# Altium PCB PMSM_LCP037_V1.11.PcbDoc (part 1 of 2)
Units mil, origin at the board's own origin, x right, y up, seen from the top; angles counter-clockwise.
Board outline 6102.36 x 5157.48 mil, 2 copper layers (Top Layer, Bottom Layer); 103 components, 55 nets, 270 pads, 892 vias.
Unrouted connection lines stored in the file: 2.
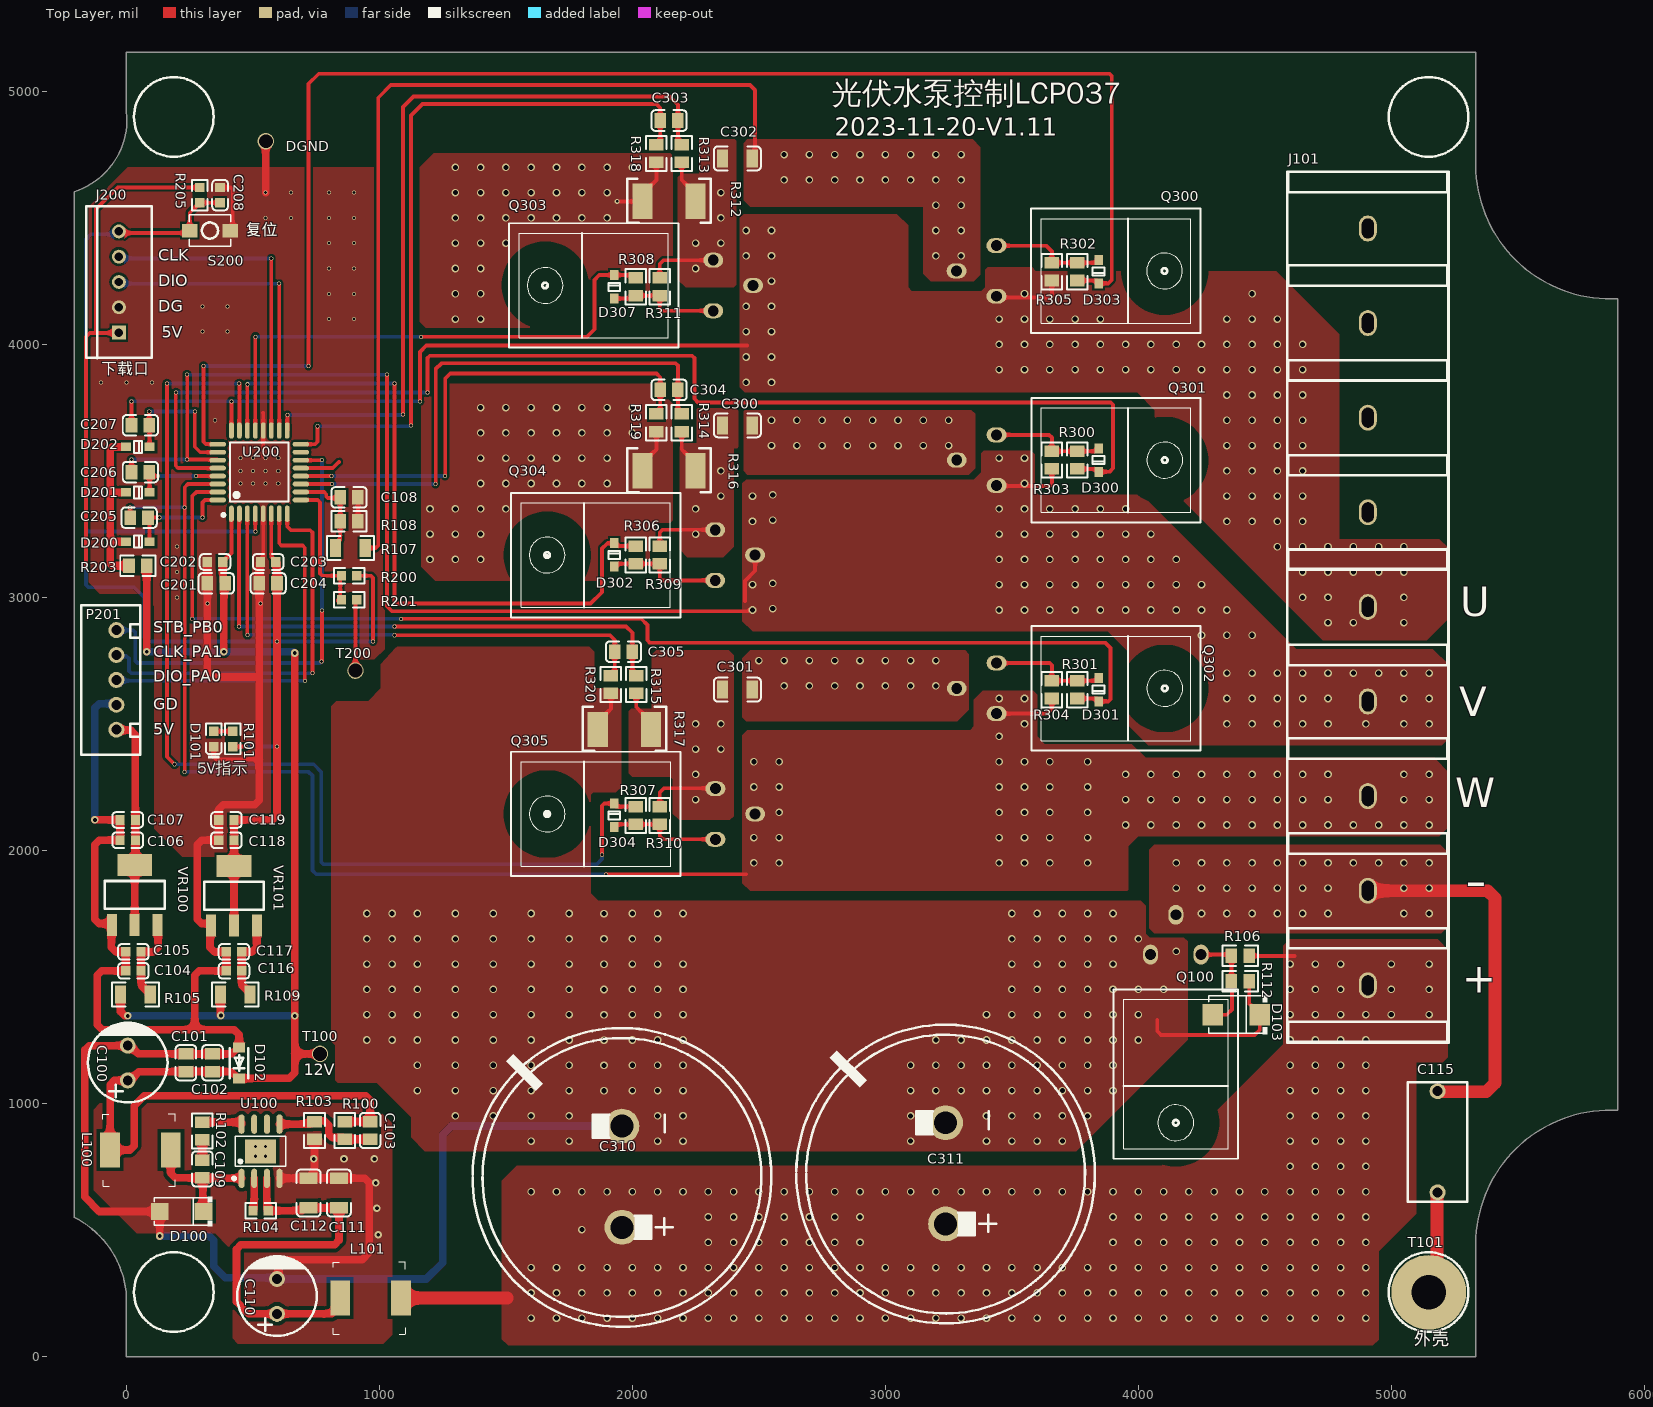
[diagram p0: Top Layer view]
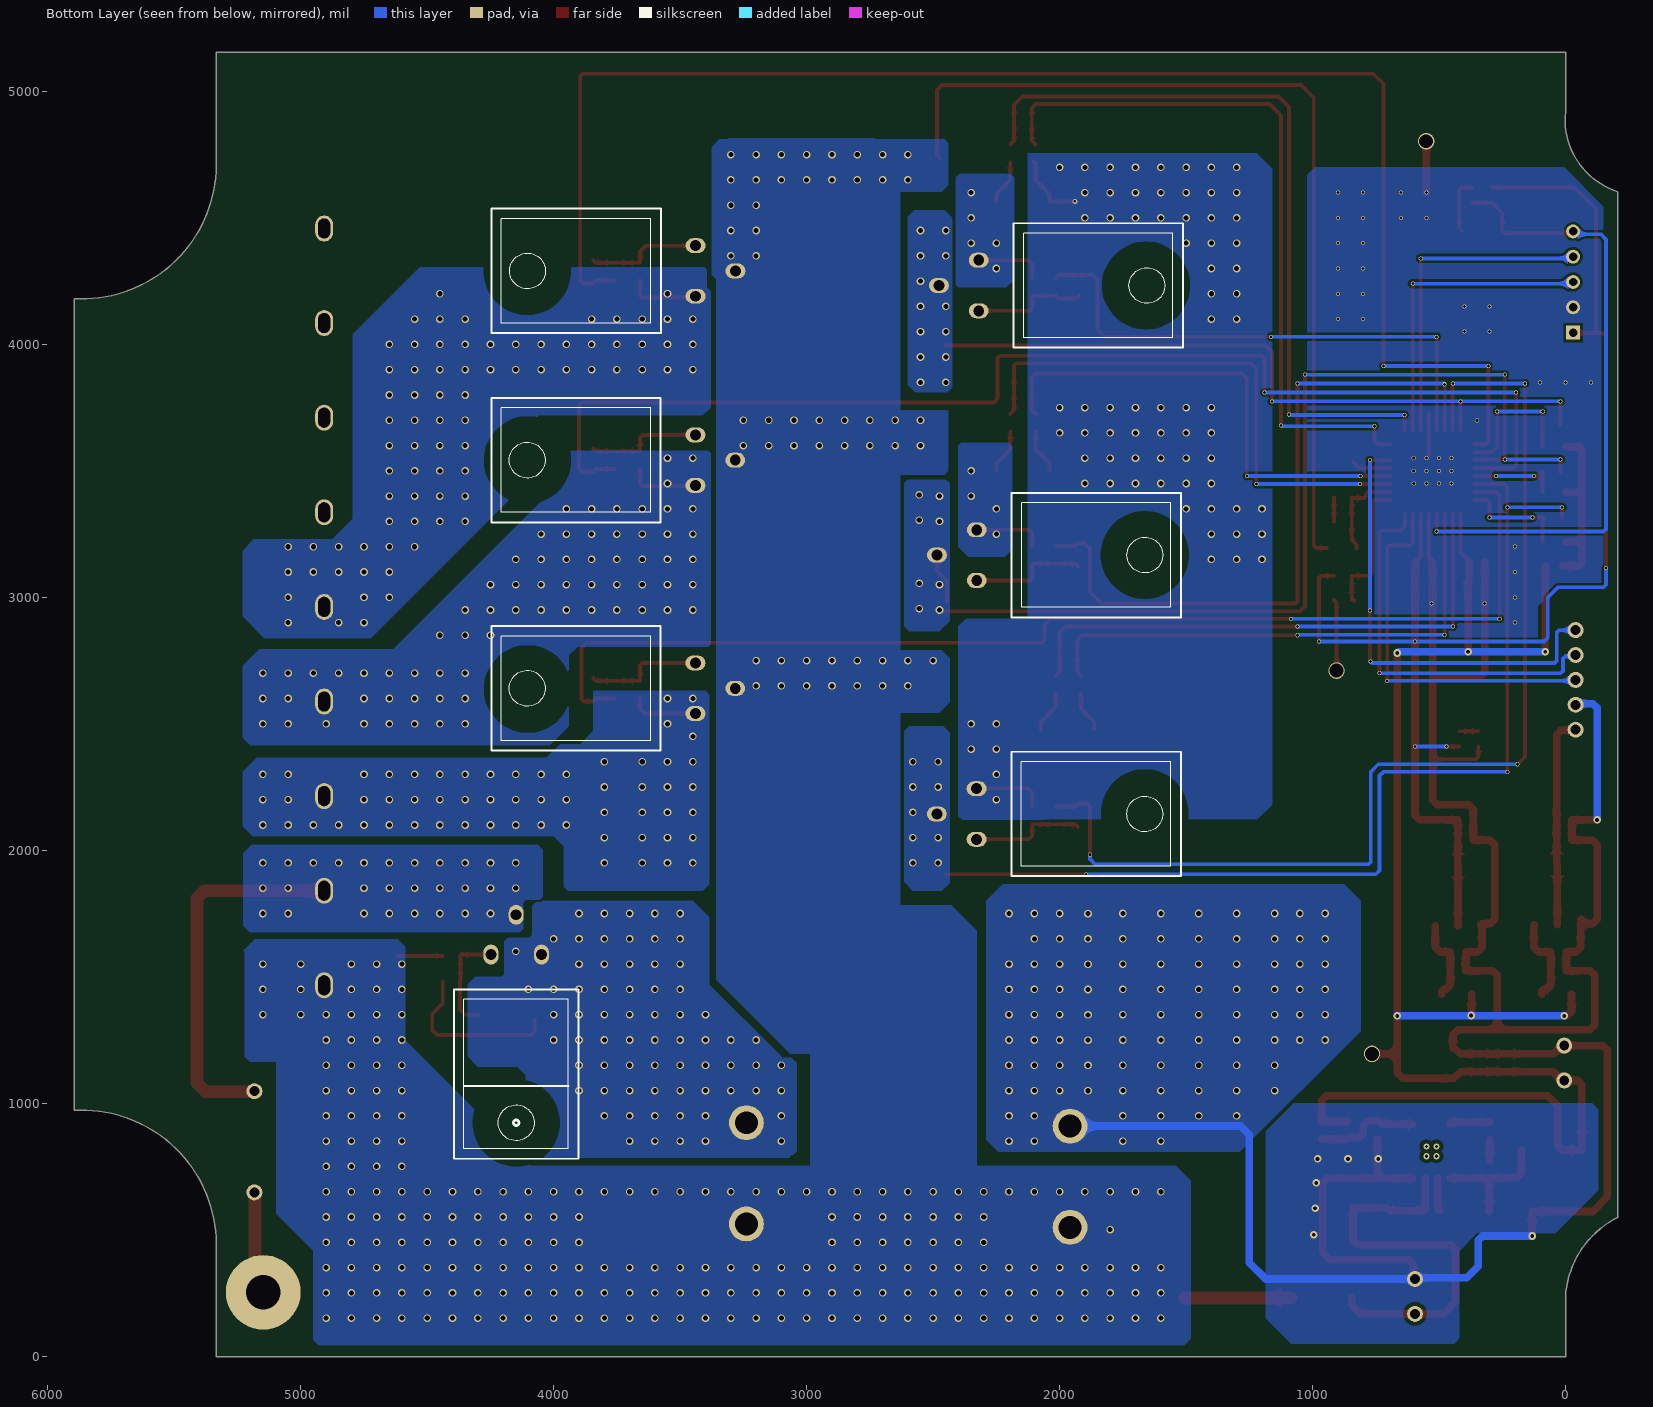
[diagram p1: Bottom Layer view, seen from below]
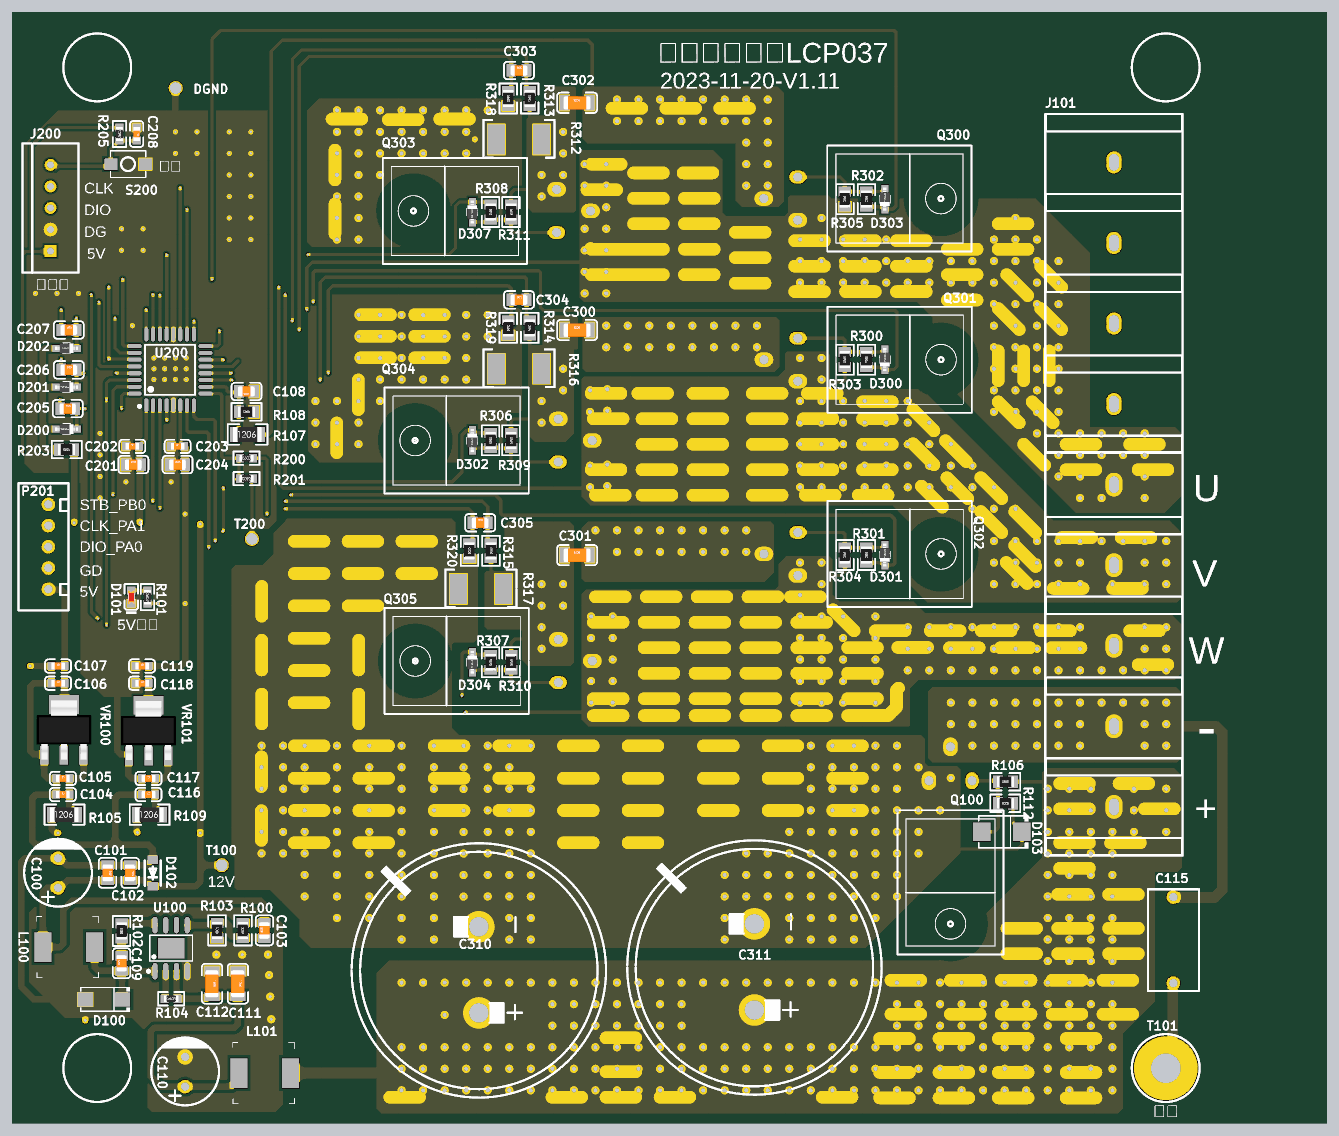
[diagram p3: 3D render of the assembled board from above, using the file's embedded part models]

## Layer stack, top to bottom
Top Solder: solder mask 0.4, Solder Resist, Dk 3.5
Top Layer: signal copper 1.4
Dielectric 1: dielectric 12.6, FR-4, Dk 4.8
Bottom Layer: signal copper 1.4
Bottom Solder: solder mask 0.4, Solder Resist, Dk 3.5

## Board outline
0,-2.48 0,233.74 ccw(c-374.92,213) -206.69,548.7 -206.69,4603.82 ccw(c-297.17,4888.49) 0,4918.78 0,5155 5334.65,5155 5334.65,4682.56 ccw(c5866.14,4712.09) 5895.67,4180.59 5895.67,971.93 ccw(c5866.14,440.43) 5334.65,469.96 5334.65,-2.48

## Design rules (kind name [scope] priority, off if disabled: settings)
Clearance [All] p1: gap=10 ignorepadtopadclearanceinfootprint=FALSE
ComponentClearance [All] p1: gap=0 collisioncheckmode=3 verticalgap=0 showdistances=FALSE
HoleSize [All] p1: absolutevalues=TRUE maxlimit=500 minlimit=1 maxpercent=80.000 minpercent=20.000
HoleToHoleClearance [All] p1: gap=0 allowstackedmicrovias=TRUE
MinimumSolderMaskSliver [All] p1: minsoldermaskwidth=0
PlaneConnect [All] p1: planeconnectstyle=Direct reliefexpansion=20 reliefentries=4 reliefconductorwidth=10 reliefairgap=10
PolygonConnect [All] p1: connectstyle=Direct reliefconductorwidth=10 reliefentries=4 polygonreliefangle="90 Angle" airgapwidth=10
RoutingVias [All] p1: holewidth=10 width=13 viastyle="Through Hole" minholewidth=10 minwidth=13 maxholewidth=500 maxwidth=500
SilkToSilkClearance [All] p1: silktosilkclearance=0
SilkToSolderMaskClearance [IsPad] p1: minsilkscreentomaskgap=0 clearancetoexposedcopper=TRUE
SolderMaskExpansion [All] p1: expansion=4 istentingtop=FALSE
Width [All] p1: maxlimit=500 minlimit=6 preferedwidth=10
23 further rules are at their usual default settings.

## Classes and differential pairs
component class 03_Mos: C300 C301 C302 C303 C304 C305 C310 C311 D300 D301 D302 D303 D304 D307 Q300 Q301 Q302 Q303 Q304 Q305 R300 R301 R302 R303 R304 R305 R306 R307 R308 R309 R310 R311 R312 R313 R314 R315 R316 R317 R318 R319 R320
component class 02_MCU: C201 C202 C203 C204 C205 C206 C207 C208 D200 D201 D202 J200 P201 R200 R201 R203 R205 S200 T200 U200
component class 01_Power: C100 C101 C102 C103 C104 C105 C106 C107 C108 C109 C110 C111 C112 C115 C116 C117 C118 C119 D100 D101 D102 D103 J101 L100 L101 Q100 R100 R101 R102 R103 R104 R105 R106 R107 R108 R109 R112 T100 T101 U100 VR100 VR101

## Components (designator, comment, footprint, x,y, rotation, side; value= is the part's Value field where it differs from the comment)
C100 "470uF/25V" 47UF/100V 5,1090 r90 top
C101 "22uF (226) 20% 25V" 0805_C 235,1160 r270 top
C102 "100nF(104) 10% 50V" 0805_C 340,1160 r270 top
C103 "47pF (470) 5% 50V" 0805_C 963.31,892.52 r90 top
C104 "100nF (104) 10% 50V" 0603_C 27.48,1523.31 r0 top
C105 "10uF (106) 10% 10V" 0603_C 27.48,1598.31 r0 top
C106 "100nF (104) 10% 50V" 0603_C 5,2040 r0 top
C107 "10uF (106) 10% 10V" 0603_C 5,2120 r0 top
C108 "100nF(104) 10% 50V" 0805_C 880,3395 r180 top
C109 "100nF(104) 10% 50V" 0805_C 300,740 r90 top
C110 "47uF/100V" 47UF/100V 595,167.2 r90 top
C111 "2.2uF (225) 10% 50V" 1206_C 840,645 r270 top
C112 "100nF (104) 10% 50V" 1206_C 720,645 r270 top
C115 "2.2nF (222) 10% 50V" "X1/Y1 500V" 5183.31,1047.52 r270 top
C116 "100nF (104) 10% 50V" 0603_C 425,1523.31 r0 top
C117 "10uF (106) 10% 10V" 0603_C 425,1598.31 r0 top
C118 "100nF (104) 10% 50V" 0603_C 395,2040 r0 top
C119 "10uF (106) 10% 10V" 0603_C 395,2120 r0 top
C201 "10uF (106) 10% 25V" 0805_C 354.96,3055 r0 top
C202 "100nF (104) 10% 50V" 0603_C 350,3140 r0 top
C203 "100nF (104) 10% 50V" 0603_C 560,3140 r0 top
C204 "10uF (106) 10% 25V" 0805_C 560,3055 r0 top
C205 "10uF (106) 10% 25V" 0805_C 50,3315 r0 top
C206 "10uF (106) 10% 25V" 0805_C 54.88,3495 r0 top
C207 "10uF (106) 10% 25V" 0805_C 54.88,3680 r0 top
C208 "100nF (104) 10% 50V" 0603_C 370,4590 r270 top
C300 "100nF (104) 10% 100V" 1206_C 2415,3680 r0 top
C301 "100nF (104) 10% 100V" 1206_C 2415,2635 r0 top
C302 "100nF (104) 10% 100V" 1206_C 2415,4735 r0 top
C303 "100pF (101) 5% 50V" 0805_C 2145,4885 r0 top
C304 "100pF (101) 5% 50V" 0805_C 2145,3820 r0 top
C305 "100pF (101) 5% 50V" 0805_C 1965,2785 r0 top
C310 "1000uF/250V" 1000uf/250V 1958.66,509.33 r90 top
C311 "1000uF/250V" 1000uf/250V 3238.19,522.72 r90 top
D100 "SS310" SS310 215,570 r180 top
D101 "绿灯 0603" 0603_LED_S1 345,2440 r90 top
D102 "SMF12A" "SMF12A - duplicate" 445,1097.95 r90 top
D103 "SMBJ18A" SMBJ18A 4480,1350 r180 top
D200 "1N4148WS T4" SOD-323 45,3220 r180 top
D201 "1N4148WS T4" SOD-323 44.88,3415 r180 top
D202 "1N4148WS T4" SOD-323 44.88,3595 r180 top
D300 "1N4148WS T4" SOD-323 3843.31,3542.52 r90 top
D301 "1N4148WS T4" SOD-323 3843.31,2635 r90 top
D302 "1N4148WS T4" SOD-323 1928.31,3167.52 r270 top
D303 "1N4148WS T4" SOD-323 3843.31,4287.52 r90 top
D304 "1N4148WS T4" SOD-323 1928.31,2137.52 r270 top
D307 "1N4148WS T4" SOD-323 1928.31,4227.52 r270 top
J101 "CON9" "CON9 9.5mm" 4907.48,1466.02 r90 top locked
J200 "SWD-KF2510-5P" 2.54_5P_PHI -30,4046.58 r90 top
L100 "47uH/0650" 0650_47UH 45,815 r180 top
L101 "47uH/0650" 0650_47UH 955,230 r180 top
P201 "Header 5" XH2.54-5P -40,2870.28 r270 top
Q100 "NCEP1570" IRFB4127#1 4148.31,1745 r180 top locked
Q300 "NCEP1570" IRFB4127#2 3439.02,4390.24 r270 top locked
Q301 "NCEP1570" IRFB4127#2 3439.8,3642.2 r270 top locked
Q302 "NCEP1570" IRFB4127#2 3439.8,2740.24 r270 top locked
Q303 "NCEP1570" IRFB4127#2 2319.72,4132.76 r90 top locked
Q304 "NCEP1570" IRFB4127#2 2327.6,3067.01 r90 top locked
Q305 "NCEP1570" IRFB4127#2 2327.99,2043.39 r90 top locked
R100 "330KΩ (3303) ±1%" 0805_R 863.31,892.52 r90 top
R101 "10KΩ (1002) ±1%" 0603_R 420,2440 r270 top
R102 "22Ω (22R0) ±1%" 0805_R 300,890 r90 top
R103 "23.7KΩ" 0805_R 743.31,892.52 r90 top
R104 "30mΩ ±1%" 0603_R 530,575 r0 top
R105 "200Ω (2000) ±1%" 1206_R 35,1430 r0 top
R106 "20KΩ (2002) ±1%" 0805_R 4403.31,1582.52 r0 top
R107 "24KΩ (2402) ±1%" 1206_R 885,3195 r0 top
R108 "1KΩ (1001) ±1%" 0805_R 880,3300 r180 top
R109 "200Ω (2000) ±1%" 1206_R 430,1430 r0 top
R112 "10KΩ (1002) ±1%" 0805_R 4403.31,1482.52 r180 top
R200 "1KΩ (1001) ±1%" 0603_R 880,3085 r0 top
R201 "1KΩ (1001) ±1%" 0603_R 880,2990 r180 top
R203 "1KΩ (1001) ±1%" 0805_R 45,3125 r180 top
R205 "10KΩ (1002) ±1%" 0603_R 290,4590 r90 top
R300 "51Ω (51R0) ±1%" 0805_R 3758.31,3542.56 r90 top
R301 "51Ω (51R0) ±1%" 0805_R 3758.31,2635 r90 top
R302 "51Ω (51R0) ±1%" 0805_R 3758.31,4287.52 r90 top
R303 "100KΩ (1003) ±1%" 0805_R 3658.31,3542.52 r90 top
R304 "100KΩ (1003) ±1%" 0805_R 3658.31,2635 r90 top
R305 "100KΩ (1003) ±1%" 0805_R 3658.31,4287.52 r90 top
R306 "51Ω (51R0) ±1%" 0805_R 2013.31,3167.52 r270 top
R307 "51Ω (51R0) ±1%" 0805_R 2013.31,2137.52 r270 top
R308 "51Ω (51R0) ±1%" 0805_R 2013.31,4227.52 r270 top
R309 "100KΩ (1003) ±1%" 0805_R 2108.31,3167.52 r270 top
R310 "100KΩ (1003) ±1%" 0805_R 2108.31,2137.52 r270 top
R311 "100KΩ (1003) ±1%" 0805_R 2108.31,4227.52 r270 top
R312 "10mR 2512" R2512 2170,4525 r0 top
R313 "68Ω (68R0) ±1%" 0805_R 2195,4755 r270 top
R314 "68Ω (68R0) ±1%" 0805_R 2195,3690 r270 top
R315 "68Ω (68R0) ±1%" 0805_R 2015,2655 r270 top
R316 "10mR 2512" R2512 2170,3460 r0 top
R317 "10mR 2512" R2512 1993.31,2437.52 r0 top
R318 "68Ω (68R0) ±1%" 0805_R 2095,4755 r270 top
R319 "68Ω (68R0) ±1%" 0805_R 2095,3690 r270 top
R320 "68Ω (68R0) ±1%" 0805_R 1915,2655 r270 top
S200 "KEY" 按键3*4 249.76,4450 r0 top
T100 "Test" Testpoint 765,1195 r90 top
T101 "Test" 接地螺丝孔 5148.31,252.52 r0 top
T200 "Test" Testpoint 905,2710 r90 top
U100 "TX4139" ESOP8 455,702.89 r0 top
U200 "LCP037BK32ET8" LQFP32 425,3395 r270 top
VR100 "AMS1117-5.0" SOT-223 32.48,1823.31 r270 top
VR101 "AMS1117-5.0" SOT-223 425,1820 r270 top

## Footprints (in the part's own frame and the unit in brackets; to place one, negate y for a bottom-side part, rotate by r counter-clockwise, add the part's x,y. Pads: shape width x height; smd on the part's side, far side on the other; paste and mask are expansions set on the pad)
2.54_5P_PHI [mil]
  rect 55x55 hole 33: 1(0,0)
  round 55 hole 33: 2(100,0) 3(200,0) 4(300,0) 5(400,0)
  silkscreen extent -100,-130 500,130
47UF/100V [mm] "8*14"
  round 1.6 hole 1: 1(0,0) 2(3.5,0)
  silkscreen extent -2.21,-4 5.79,4
0603_C [mm]
  rect 0.93x0.98 smd: 1(-0.77,0) 2(0.77,0)
  silkscreen extent -1.53,-0.79 1.54,0.79, body extent -0.8,-0.4 0.8,0.4, height 0.3
0603_LED_S1 [mm]
  rect 0.93x0.98 smd: A(0.77,0) K(-0.77,0)
  silkscreen extent -1.98,-0.79 1.54,0.79, body extent -0.8,-0.4 0.8,0.4, height 0.6
0603_R [mm]
  rect 0.93x0.98 smd: 1(-0.77,0) 2(0.77,0)
  silkscreen extent -1.53,-0.79 1.54,0.79, body extent -0.85,-0.4 0.85,0.4, height 0.56
0650_47UH [mm]
  rect 2x3.5 smd: 1(-3.302,0) 2(2.794,0)
  silkscreen extent -3.76,-3.62 3.52,3.62
0805_C [mm]
  rect 1.16x1.47 smd: 1(-0.89,0) 2(0.89,0)
  silkscreen extent -1.77,-1.04 1.77,1.04, body extent -1,-0.62 1,0.63, height 0.77
0805_R [mm]
  rect 1.16x1.47 smd: 1(-0.89,0) 2(0.89,0)
  silkscreen extent -1.77,-1.04 1.77,1.03, body extent -1,-0.62 1,0.63, height 0.49
1000uf/250V [mm]
  round 3.5 hole 2.3: 1(0,0) 2(10.16,0)
  silkscreen extent -9.99,-15 20.01,15
1206_C [mm]
  rect 1.13x1.8 smd: 1(-1.49,0) 2(1.49,0)
  silkscreen extent -2.36,-1.2 2.35,1.2, body extent -1.6,-0.81 1.6,0.79, height 1
1206_R [mm]
  rect 1.13x1.8 smd: 1(-1.49,0) 2(1.49,0)
  silkscreen extent -2.36,-1.2 2.35,1.2, body extent -1.7,-0.86 1.65,0.87, height 0.85
"CON9 9.5mm" [mm]
  oval 2.6x1.8 hole 1.2 slot 2 at 0 deg: 1(0,0) 2(9.5,0) 3(19,0) 4(28.5,0) 5(38,0) 6(47.5,0) 7(57,0) 8(66.5,0) 9(76,0)
  silkscreen extent -5.75,-8.1 81.69,8.1
ESOP8 [mm]
  oval 0.602x1.941 smd: 1(0,0) 2(1.27,0) 3(2.54,0) 4(3.81,0) 5(3.81,5.441) 6(2.54,5.441) 7(1.27,5.441) 8(0,5.441)
  rect 3.098x2.41 smd: 9(1.905,2.72)
  silkscreen extent -0.9,-0.15 4.43,4.24
IRFB4127#1 [mm]
  oval 1.5x2 hole 1.1: 1(-2.54,4) 2(0,0) 3(2.54,4)
  silkscreen extent -6.25,7.5 6.25,24.5
IRFB4127#2 [mm] "TO-220AB"
  oval 1.5x2 hole 1.1: 1(0,0) 2(2.54,-4) 3(5.08,0)
  round 0 on Bottom Overlay: ""(2.54,16.885)
  silkscreen extent -3.71,3.5 8.79,20.5
LQFP32 [mm]
  oval 1.65x0.48 smd: 1(1.635,-0.26) 2(1.635,0.54) 3(1.635,1.34) 4(1.635,2.14) 5(1.635,2.94) 6(1.635,3.74) 7(1.635,4.54) 8(1.635,5.34) 17(-6.715,5.34) 18(-6.715,4.54) 19(-6.715,3.74) 20(-6.715,2.94) 21(-6.715,2.14) 22(-6.715,1.34) 23(-6.715,0.54) 24(-6.715,-0.26)
  oval 0.48x1.65 smd: 9(0.26,6.715) 10(-0.54,6.715) 11(-1.34,6.715) 12(-2.14,6.715) 13(-2.94,6.715) 14(-3.74,6.715) 15(-4.54,6.715) 16(-5.34,6.715) 25(-5.34,-1.635) 26(-4.54,-1.635) 27(-3.74,-1.635) 28(-2.94,-1.635) 29(-2.14,-1.635) 30(-1.34,-1.635) 31(-0.54,-1.635) 32(0.26,-1.635)
  silkscreen extent -5.49,-1.21 1.91,5.49
R2512 [mil]
  rect 80x140 smd: 1(-130,40) 2(80,40)
  silkscreen extent -190,-45 140,130
SMBJ18A [mil] "DO-214AA"
  rect 80.61x86.31 smd: 1(0,0) 2(185.89,0)
  silkscreen extent -30,-77 201,77
"SMF12A - duplicate" [mm] "SOD123F"
  rect 1x1.2 smd: 1(0,0) 2(3.1,0)
  silkscreen extent 0.03,-0.93 3.04,0.95
SOD-323 [mm]
  rect 1x0.83 smd: 1(1.18,0) 2(-1.18,0)
  silkscreen extent -0.4,-0.6 0.4,0.6, body extent -1.35,-0.62 1.35,0.63, height 1.1
SOT-223 [mm]
  rect 2.2x1 smd: 1(3,-2.3) 2(3,0) 3(3,2.3)
  rect 2.2x3.5 smd: 2(-3,0)
  silkscreen extent -1.4,-3 1.4,3, body extent -3.49,-3.24 3.49,3.24, height 1.64
SS310 [mm]
  rect 1.8x1.7 smd paste+0 mask+0.051: 1(-2.26,-0.047) 2(2.125,-0.047)
  silkscreen extent -3.17,-1.52 2.66,1.43
Testpoint [mil]
  round 65 hole 55: 1(0,0)
"X1/Y1 500V" [mm]
  round 1.6 hole 1: 1(0,0) 2(10.16,0)
  silkscreen extent -0.92,-3 11.08,3
XH2.54-5P [mm]
  round 1.6 hole 1 paste+0 mask+0.05: 1(0,0) 2(2.5,0) 3(5,0) 4(7.5,0) 5(10,0)
  silkscreen extent -2.5,-3.53 12.5,2.38
按键3*4 [mm]
  rect 1.53x1.36 smd: 1(0,0) 2(4.07,0)
  silkscreen extent -0.04,-1.58 4.11,1.58
接地螺丝孔 [mm]
  round 7.5 hole 3.5: 6(0,0)

## Part data
C100 C110: library part CapSMT220u_16V, =220uF/16V
C101: library part "0805 22uF (226) 20% 25V", "贴片电容", Package=0805, SuppliersPartNumber=C45783, ComponentLink1Description=供应商链接, ComponentLink1URL=http://www.szlcsc.com/product/details_46786.html, Supplier=LC
C102 C108 C109: library part "0805 100nF(104) 10% 50V", "贴片电容", Package=0805, SuppliersPartNumber=C49678, ComponentLink1Description=供应商链接, ComponentLink1URL=http://www.szlcsc.com/product/details_50686.html, Supplier=LC
C103: library part "0805 47pF (470) 5% 50V", "贴片电容", Package=0805, SuppliersPartNumber=C14857, ComponentLink1Description=供应商链接, ComponentLink1URL=http://www.szlcsc.com/product/details_15529.html, Supplier=LC
C104 C106 C116 C118 C202 C203 C208: library part "0603 100nF (104) 10% 50V", "贴片电容", Package=0603, SuppliersPartNumber=C14663, ComponentLink1Description=供应商链接, ComponentLink1URL=http://www.szlcsc.com/product/details_15331.html, Supplier=LC
C105 C107 C117 C119: library part "0603 10uF (106) 10% 10V", "贴片电容", Package=0603, SuppliersPartNumber=C19702, ComponentLink1Description=供应商链接, ComponentLink1URL=http://www.szlcsc.com/product/details_20411.html, Supplier=LC
C111: library part "1206 2.2uF (225) 10% 50V", "贴片电容", Package=1206, SuppliersPartNumber=C12656, ComponentLink1Description=供应商链接, ComponentLink1URL=http://www.szlcsc.com/product/details_13292.html, Supplier=LC
C112 C300 C301 C302: library part "1206 100nF (104) 10% 50V", "贴片电容", Package=1206, SuppliersPartNumber=C24497, ComponentLink1Description=供应商链接, ComponentLink1URL=http://www.szlcsc.com/product/details_25237.html, Supplier=LC
C115: library part "0603 2.2nF (222) 10% 50V", "贴片电容", Package=0603, SuppliersPartNumber=C1604, ComponentLink1Description=供应商链接, ComponentLink1URL=http://www.szlcsc.com/product/details_1956.html, Supplier=LC
C201 C204 C205 C206 C207: library part "0805 10uF (106) 10% 25V", "贴片电容", Package=0805, SuppliersPartNumber=C15850, ComponentLink1Description=供应商链接, ComponentLink1URL=http://www.szlcsc.com/product/details_16532.html, Supplier=LC
C303 C304 C305: library part "0805 100pF (101) 5% 50V", "贴片电容", Package=0805, SuppliersPartNumber=C1790, ComponentLink1Description=供应商链接, ComponentLink1URL=http://www.szlcsc.com/product/details_2142.html, Supplier=LC
C310 C311: library part CAP2, "电解电容"
D101: library part "0603 绿灯", "发光二极管", Package=0603, SuppliersPartNumber=C72043, ComponentLink1Description=供应商链接, ComponentLink1URL=http://www.szlcsc.com/product/details_73152.html, Supplier=LC
D103: library part 1N4746A
D200 D201 D202 D300 D301 D302 D303 D304 D307: library part "SOD-323 1N4148WS T4", "二极管", Package=SOD-323, SuppliersPartNumber=C2128, ComponentLink1Description=供应商链接, ComponentLink1URL=http://www.szlcsc.com/product/details_2485.html, Supplier=LC
J200: library part ST-LINK-SWD
L100 L101: library part Inductor
P201: "Header, 5-Pin", LatestRevisionDate=17-Jul-2002, LatestRevisionNote="Re-released for DXP Platform.", Publisher="Altium Limited"
Q100 Q300 Q301 Q302 Q303 Q304 Q305: library part IRFB4127PBF
R100: library part "0805 330KΩ (3303) 1%", "贴片电阻", Package=0805, SuppliersPartNumber=C17629, ComponentLink1Description=供应商链接, ComponentLink1URL=http://www.szlcsc.com/product/details_18317.html, Supplier=LC
R101 R205: library part "0603 10KΩ (1002) 1%", "贴片电阻", Package=0603, SuppliersPartNumber=C25804, ComponentLink1Description=供应商链接, ComponentLink1URL=http://www.szlcsc.com/product/details_26547.html, Supplier=LC
R102 R103: library part "0805 22Ω (22R0) 1%", "贴片电阻", Package=0805, SuppliersPartNumber=C17561, ComponentLink1Description=供应商链接, ComponentLink1URL=http://www.szlcsc.com/product/details_18249.html, Supplier=LC
R104: library part "0603 100KΩ (1003) 1%", "贴片电阻", Package=0603, SuppliersPartNumber=C25803, ComponentLink1Description=供应商链接, ComponentLink1URL=http://www.szlcsc.com/product/details_26546.html, Supplier=LC
R105 R109: library part "1206 300Ω (3000) 1%", "贴片电阻", Package=1206, SuppliersPartNumber=C17887, ComponentLink1Description=供应商链接, ComponentLink1URL=http://www.szlcsc.com/product/details_18575.html, Supplier=LC
R106: library part "0805 20KΩ (2002) 1%", "贴片电阻", Package=0805, SuppliersPartNumber=C4328, ComponentLink1Description=供应商链接, ComponentLink1URL=http://www.szlcsc.com/product/details_4735.html, Supplier=LC
R107: library part "1206 0Ω (0R0) 1%", "贴片电阻", Package=1206, SuppliersPartNumber=C17888, ComponentLink1Description=供应商链接, ComponentLink1URL=http://www.szlcsc.com/product/details_18576.html, Supplier=LC
R108 R203: library part "0805 1KΩ (1001) 1%", "贴片电阻", Package=0805, SuppliersPartNumber=C17513, ComponentLink1Description=供应商链接, ComponentLink1URL=http://www.szlcsc.com/product/details_18201.html, Supplier=LC
R112: library part "0805 10KΩ (1002) 1%", "贴片电阻", Package=0805, SuppliersPartNumber=C17414, ComponentLink1Description=供应商链接, ComponentLink1URL=http://www.szlcsc.com/product/details_18102.html, Supplier=LC
R200 R201: library part "0603 1KΩ (1001) 1%", "贴片电阻", Package=0603, SuppliersPartNumber=C21190, ComponentLink1Description=供应商链接, ComponentLink1URL=http://www.szlcsc.com/product/details_21904.html, Supplier=LC
R300 R301 R302 R306 R307 R308: library part "0805 51Ω (51R0) 1%", "贴片电阻", Package=0805, SuppliersPartNumber=C17738, ComponentLink1Description=供应商链接, ComponentLink1URL=http://www.szlcsc.com/product/details_18426.html, Supplier=LC
R303 R304 R305 R309 R310 R311: library part "0805 100KΩ (1003) 1%", "贴片电阻", Package=0805, SuppliersPartNumber=C17407, ComponentLink1Description=供应商链接, ComponentLink1URL=http://www.szlcsc.com/product/details_18095.html, Supplier=LC
R312 R316 R317: library part Res10K
R313 R314 R315 R318 R319 R320: library part "0805 68Ω (68R0) 1%", "贴片电阻", Package=0805, SuppliersPartNumber=C17802, ComponentLink1Description=供应商链接, ComponentLink1URL=http://www.szlcsc.com/product/details_18490.html, Supplier=LC
T100 T101 T200: library part TestPad
U200: library part LCP037BT32EU8
VR100 VR101: library part "SOT-223 AMS1117-5.0", "低压差线性稳压(LDO)", Package=SOT-223, SuppliersPartNumber=C6187, ComponentLink1Description=供应商链接, ComponentLink1URL=http://www.szlcsc.com/product/details_6653.html, Supplier=LC

## Via types
v1: diameter 30, hole 20, Top Layer to Bottom Layer, 774 vias
v2: diameter 16, hole 12, Top Layer to Bottom Layer, 98 vias
v3: diameter 30, hole 15, Top Layer to Bottom Layer, 14 vias
v4: diameter 24, hole 12, Top Layer to Bottom Layer, 4 vias
v5: diameter 65, hole 55, Top Layer to Bottom Layer, 1 vias
v6: diameter 20, hole 10, Top Layer to Bottom Layer, 1 vias

## Nets (pads, with @x,y where several pads share a name; then routed paths per layer and width w, separated by ;. In a path a pad name is that pad's centre, name@x,y a point inside that pad or via, vN(x,y) a via of type N, cw(c..) or ccw(c..) an arc to the next point about the centre after c; other vN are vias at no path point)
5V: C106.2 C107.2 P201.5 VR100.2 | length 836.7
  Top Layer w30: P201.5@-40,2476.57 -38.43,2475 17.74,2475 35.32,2457.43 35.32,2342.43 C107.2@35.32,2120 C106.2@35.32,2040 35.32,1944.25 VR100.2@32.48,1941.42 VR100.2@32.48,1705.2
5VDD: C118.2 C119.2 C203.2 C204.2 J200.1 R101.2 R200.2 R205.2 U200.6 VR101.2 | length 5663.2
  Top Layer w15: v2(-160,3115) -160,4030 -145,4045 -123.5,4045 ; J200.1@-30,4046.58 -31.57,4045 -123.5,4045 ; R205.2@290,4620.32 -34.68,4620.32 -120,4535 -120,4048.5 -123.5,4045 ; R101.2@420,2409.68 469.68,2409.68 v2(470,2410) ; U200.6@572.24,3330.63 572.24,3159.06 590.32,3140.98 C203.2@590.32,3140 ; R200.2@915.04,3085 966.21,3085 975,3076.21 v2(975,2825)
  Top Layer w30: VR101.2@425,1701.89 VR101.2@425,1938.11 425.32,1938.43 C118.2@425.32,2040 C119.2@425.32,2120 577.47,2120 595.04,2137.57 595.04,2812.5 C204.2@595.04,3055 595.04,3134.29 590.32,3139.02 C203.2@590.32,3140
  Bottom Layer w15: v2(-160,3115) -160,3050 -150,3040 30,3040 70.11,2999.89 70.11,2840 85.11,2825 v2(975,2825) ; v2(470,2410) v2(595,2410)
  other v2: 595,2825
12VDD: C100.1 C101.2 C102.2 C103.2 C201.2 C202.2 D102.1 L100.2 R100.2 R105.1 R109.1 R203.1 T100.1 U200.1 | length 6517.5
  Top Layer w15: C202.2@380.32,3140 380.32,3140.98 414.76,3175.43 U200.1@414.76,3330.63
  Top Layer w30: R105.1@-23.66,1430 -23.66,1362.57 v3@-6.09,1345 ; v3(80,2785) v3(80,2785) R203.1@80.04,3125 ; v3@371.34,1348.66 R109.1@371.34,1430 ; C202.2@380.32,3140 380.32,3086.46 382.17,3084.61 382.17,3062.83 C201.2@390,3055 385,3050 v3(385,2785) ; v3(665,2780) v3(665,1345) 665,1195 ; T100.1@765,1195 665,1195 ; R100.2@863.31,927.56 C103.2@963.31,927.56 963.31,1011.69 945,1030 70,1030 30,990 30,832.57 12.43,815 L100.2@-65,815 -65,1072.43 -47.43,1090 C100.1@5,1090 13.93,1090 48.89,1124.96 C101.2@235,1124.96 C102.2@340,1124.96 414.06,1124.96 441.06,1097.95 642.95,1097.95 665,1120 665,1195
  Bottom Layer w30: v3(5,1345) v3(665,1345) ; v3(80,2785) v3(385,2785) 660,2785 v3(665,2780)
  other v3: 373.17,1346.83
ADC2-I: U200.15
DGND: C100.2 C101.1 C102.1 C104.1 C105.1 C106.1 C107.1 C108.1 C110.2 C111.1 C112.1 C116.1 C117.1 C118.1 C119.1 C201.1 C202.1 C203.1 C204.1 C208.1 C310.2 C311.2 D100.2 D101.K D102.2 D103.1 J200.2 P201.4 Q100.3 R103.1 R108.1 R112.1 R317.1 R320.2 S200.2 U100.4 U200.5 U200.20 VR100.1 VR101.1 | length 12708.4
  Top Layer w15: C202.1@319.68,3140 319.68,3055.24 319.8,3055.12 C201.1@319.92,3055 ; D101.K@345,2409.69 345,2368.79 353.79,2360 524.96,2360 ; C208.1@370,4620.32 411.21,4620.32 420,4611.53 420,4460 S200.2@410,4450 ; 540,3730 540.75,3729.25 U200.20@540.75,3659.37 540.75,3559.25 v2(550,3550) ; C203.1@540.75,3152.05 U200.5@540.75,3330.63 ; R108.1@915.04,3300 C108.1@915.04,3395 ; R317.1@1863.31,2477.52 1863.31,2507.52 1915,2559.21 R320.2@1915,2619.96 ; 4075,1330 4075,1285 4085.01,1274.99 4090,1270 4460,1270 4480,1290 D103.1@4480,1350 4480,1352.85 4447.19,1385.66 4447.13,1385.66 4438.35,1394.44 R112.1@4438.35,1482.52
  Top Layer w30: v3(-125,2120) C107.1@-25.32,2120 C106.1@-25.32,2040 -107.43,2040 -125,2022.43 -125,1727.57 -107.43,1710 -62.76,1710 -62.76,1709.88 VR100.1@-58.07,1705.2 ; VR100.1@-62.76,1727.57 VR100.1@-60,1724.82 ; VR100.1@-60,1707.24 -60,1615.88 -42.43,1598.31 C105.1@-2.83,1598.31 C104.1@-2.83,1523.31 -97.43,1523.31 -115,1505.73 -115,1310 -95,1290 270,1290 ; v3(131.56,475) 131.35,475.2 D100.2@131.35,571.83 -106.83,571.83 -165,630 -165,1210.23 -147.43,1227.8 C100.2@5,1227.8 13.93,1227.8 46.69,1195.04 C101.1@235,1195.04 C102.1@340,1195.04 416.1,1195.04 441.06,1220 D102.2@445,1220 445,1270 425,1290 270,1290 ; C202.1@319.68,3140 319.8,3139.88 C201.1@319.8,3055.12 ; C201.1@319.92,3055 319.92,2702.57 337.49,2685 519.96,2685 524.96,2690 ; C203.1@529.68,3140 529.68,3139.02 524.96,3134.29 C204.1@524.96,3055 524.96,2690 ; v2(550,4600) 550,4801.97 v5(551.18,4803.15) ; C110.2@595,305 601.31,311.31 601.31,364.2 618.89,381.77 931.77,381.77 960,410 960,686.09 942.43,703.66 C111.1@840,703.66 C112.1@733.19,703.66 ; U100.4@605,702.89 605.38,703.28 719.62,703.28 C112.1@720,703.66 C112.1@733.19,703.66 ; R103.1@743.31,857.48 743.31,713.78 C112.1@733.19,703.66 ; 270,1290 270,1505.73 287.57,1523.31 C116.1@394.68,1523.31 C117.1@394.68,1598.31 347.57,1598.31 330,1615.88 330,1697.44 VR101.1@334.45,1701.89 334.45,1705.31 329.76,1710 297.57,1710 280,1727.57 280,2022.43 297.57,2040 C118.1@364.68,2040 C119.1@364.68,2120 364.68,2162.43 382.26,2180 507.39,2180 524.96,2197.57 524.96,2360 524.96,2690
  Bottom Layer w30: v3(-125,2120) -125,2562.43 -107.43,2580 -45,2580 P201.4@-40,2575 ; v3(131.56,475) 327.43,475 345,457.43 345,355 390,310 590,310 C110.2@595,305 1185,305 1250,370 1250,875 1285,910 1957.99,910 C310.2@1958.66,909.33
  other v1: 1600,850 1750,850 2100,850 2200,850 3100,850 3400,850 3500,850 3600,850 3700,850 1300,950 1450,950 1600,950 1750,950 2100,950 2200,950 3100,950 3400,950 3500,950 3600,950 3700,950 3800,950 1887.83,1049.36 1150,1050 1300,1050 1450,1050 1600,1050 1750,1050 2000,1050 2100,1050 2200,1050 3100,1050 3200,1050 3300,1050 3400,1050 3500,1050 3600,1050 3700,1050 3800,1050 3900,1050 1887.83,1149.36 1150,1150 1300,1150 1450,1150 1600,1150 1750,1150 2000,1150 2100,1150 2200,1150 3100,1150 3200,1150 3300,1150 3400,1150 3500,1150 3600,1150 3700,1150 3800,1150 3900,1150 1887.83,1249.36 950,1250 1050,1250 1150,1250 1300,1250 1450,1250 1600,1250 1750,1250 2000,1250 2100,1250 2200,1250 3200,1250 3300,1250 3400,1250 3500,1250 3600,1250 3700,1250 3800,1250 3900,1250 4000,1250 1887.83,1349.36 950,1350 1050,1350 1150,1350 1300,1350 1450,1350 1600,1350 1750,1350 2000,1350 2100,1350 2200,1350 3400,1350 3500,1350 3600,1350 3700,1350 3800,1350 3900,1350 4000,1350 1887.83,1449.36 950,1450 1050,1450 1150,1450 1300,1450 1450,1450 1600,1450 1750,1450 2000,1450 2100,1450 2200,1450 3500,1450 3600,1450 3700,1450 3800,1450 3900,1450 4000,1450 4100,1450 1887.83,1549.36 950,1550 1050,1550 1150,1550 1300,1550 1450,1550 1600,1550 1750,1550 2000,1550 2100,1550 2200,1550 3500,1550 3600,1550 3700,1550 3800,1550 3900,1550 4150,1600 1887.83,1649.36 950,1650 1050,1650 1150,1650 1300,1650 1450,1650 1600,1650 1750,1650 2000,1650 2100,1650 3500,1650 3600,1650 3700,1650 3800,1650 3900,1650 4000,1650 1887.83,1749.36 950,1750 1050,1750 1150,1750 1300,1750 1450,1750 1600,1750 1750,1750 2000,1750 2100,1750 2200,1750 3500,1750 3600,1750 3700,1750 3800,1750 3900,1750
  other v2: 200,2900 320,2975 530,2975 200,3000 200,3100 200,3200 450,3450 500,3450 550,3450 600,3450 450,3500 500,3500 550,3500 600,3500 450,3550 500,3550 600,3550 350,3700 -100,3850 0,3850 100,3850 300,4050 400,4050 800,4100 900,4100 300,4150 400,4150 800,4200 900,4200 800,4300 900,4300 800,4400 900,4400 550,4500 650,4500 800,4500 900,4500 650,4600 800,4600 900,4600
  other v3: 995,480 990,585 985,685 740,780 860,780 980,780
GND: C115.1 J101.2 Q100.2 | length 1487.6
  Top Layer w50: J101.2@4907.48,1840.04 5380.71,1840.04 5410,1810.75 5410,1080 5375,1045 5289.34,1045 ; C115.1@5183.31,1047.52 5185.79,1045.03 5289.31,1045.03
  other v1: 4250,1750 4350,1750 4450,1750 4550,1750 4650,1750 4750,1750 5050,1750 5150,1750 4150,1850 4250,1850 4350,1850 4450,1850 4550,1850 4650,1850 4750,1850 5050,1850 5150,1850 4150,1950 4250,1950 4350,1950 4450,1950 4550,1950 4650,1950 4750,1950 4850,1950 4950,1950 5050,1950 5150,1950
ISENCE: C301.1 Q305.3 R310.1 R312.1 R315.2 R316.1 R317.2 R318.2 R319.2 | length 907.6
  Top Layer w15: v6(1940,4565) R312.1@2040,4565 2040,4595 2095,4650 R318.2@2095,4719.96 ; R315.2@2015,2619.96 2015,2565.83 2073.31,2507.52 R317.2@2073.31,2477.52 ; R316.1@2040,3500 2040,3530 2095,3585 R319.2@2095,3654.96 ; R318.2@2103.31,4719.96 R318.2@2103.31,4722.48 ; R310.1@2108.31,2172.56 2108.31,2228.31 2125,2245 2326.38,2245 Q305.3@2327.99,2243.39
  other v1: 2250,2200 2250,2300 2250,2400 2350,2400 2250,2500 2350,2500 1200,3150 1300,3150 1400,3150 1200,3250 1300,3250 1400,3250 1200,3350 1300,3350 1400,3350 1500,3350 1400,3450 1500,3450 1600,3450 1700,3450 1800,3450 1900,3450 1400,3550 1500,3550 1600,3550 1700,3550 1800,3550 1900,3550 1400,3650 1500,3650 1600,3650 1700,3650 1800,3650 1900,3650 2000,3650 1400,3750 1500,3750 1600,3750 1700,3750 1800,3750 1900,3750 2000,3750 1300,4100 1400,4100 1300,4200 1400,4200 1300,4300 1400,4300 1300,4400 1400,4400 1500,4400 1300,4500 1400,4500 1500,4500 1600,4500 1700,4500 1800,4500 1900,4500 1300,4600 1400,4600 1500,4600 1600,4600 1700,4600 1800,4600 1900,4600 1300,4700 1400,4700 1500,4700 1600,4700 1700,4700 1800,4700 1900,4700 2000,4700
IU: C302.1 Q303.3 R311.1 R312.2 R313.2 | length 448.9
  Top Layer w15: R311.1@2108.31,4262.56 2108.31,4317.52 2123.31,4332.52 Q303.3@2318.31,4332.52 ; R313.2@2195,4719.96 2195,4650 2250,4595 R312.2@2250,4565
  other v1: 2250,4300 2250,4400 2350,4400 2350,4500 2350,4600
IV: C300.1 Q304.3 R309.1 R314.2 R316.2 | length 458.4
  Top Layer w15: R309.1@2108.31,3202.56 2108.31,3256.21 2119.1,3267.01 Q304.3@2327.6,3267.01 2327.99,3267.01 Q304.3@2330,3265 ; R314.2@2195,3654.96 2195,3585 2250,3530 R316.2@2250,3500
  other v1: 2250,3250 2250,3350 2350,3400 2350,3500
M-NRST: C208.2 J200.5 R205.1 S200.1 U200.4 | length 2519.4
  Top Layer w15: J200.5@-30,4440.28 240.04,4440.28 S200.1@249.76,4450 249.76,4520.43 289.02,4559.69 R205.1@290,4559.69 C208.2@370,4559.68 ; v2(509.25,3260.75) U200.4@509.25,3330.63
  Bottom Layer w15: J200.5@-30,4440.28 -35.28,4435 -140,4435 -160,4415 -160,3269.53 -151.21,3260.75 v2(509.25,3260.75)
M-SWCLK: J200.4 U200.19 | length 1283.6
  Top Layer w15: U200.19@572.24,3659.37 v2(572.24,4340)
  Bottom Layer w15: J200.4@-30,4341.85 -28.15,4340 v2(572.24,4340)
M-SWDIO: J200.3 U200.18 | length 1217
  Top Layer w15: U200.18@603.74,3659.37 v2(603.74,4240)
  Bottom Layer w15: J200.3@-30,4243.42 -26.57,4240 v2(603.74,4240) v2@605,4240
MOTOR-A: C207.1 J101.5 Q300.3 Q303.2 R305.1 U200.24 | length 3134.4
  Top Layer w15: C207.1@19.84,3680 v2(19.84,3775) ; U200.24@414.76,3659.37 v2(414.76,3775) ; v2(1160,3775) 1160,3970 1185,3995 2454.44,3995 ; Q300.3@3439.02,4190.24 3444.25,4185 3649.52,4185 3658.31,4193.79 R305.1@3658.31,4252.48
  Bottom Layer w15: v2(19.84,3775) v2(414.76,3775) v2(1160,3775)
  other v1: 4750,2900 4850,2900 5050,2900 4650,3000 4750,3000 5050,3000 4650,3100 4750,3100 4850,3100 4950,3100 5050,3100 4550,3200 4650,3200 4750,3200 4850,3200 4950,3200 5050,3200 4350,3300 4450,3300 4550,3300 4650,3300 4350,3400 4450,3400 4550,3400 4650,3400 4350,3500 4450,3500 4550,3500 4650,3500 4350,3600 4450,3600 4550,3600 4650,3600 4350,3700 4450,3700 4550,3700 4650,3700 4350,3800 4450,3800 4550,3800 4650,3800 2450,3850 2550,3850 3450,3900 3550,3900 3650,3900 3750,3900 3850,3900 3950,3900 4050,3900 4150,3900 4250,3900 4350,3900 4450,3900 4550,3900 4650,3900 2450,3950 2550,3950 3450,4000 3550,4000 3650,4000 3750,4000 3850,4000 3950,4000 4050,4000 4150,4000 4250,4000 4350,4000 4450,4000 4550,4000 4650,4000 2450,4050 2550,4050 3450,4100 3550,4100 3650,4100 3750,4100 3850,4100 4350,4100 4450,4100 4550,4100 2450,4150 2550,4150 3550,4200 4450,4200 2550,4250 2450,4350 2550,4350 2450,4450 2550,4450
MOTOR-B: C206.1 J101.4 Q301.3 Q304.2 R303.1 U200.27 | length 4352.5
  Top Layer w15: C206.1@19.84,3495 19.84,3544.84 v2(20,3545) ; v2(240,3880) v2(240,3545) 357.87,3545 U200.27@360.63,3542.24 ; v2(1030,3880) 1030,2965 1050,2945 2455,2945 v1@2460,2950 ; 2445.13,2984.95 2445.13,3064.85 2485.08,3104.8 Q304.2@2485.08,3167.01 ; Q301.3@3439.8,3442.2 3442.01,3440 3649.52,3440 3658.31,3448.79 R303.1@3658.31,3507.48
  Bottom Layer w15: v2(20,3545) v2(240,3545) ; v2(240,3880) v2(1030,3880)
  other v1: 4350,2500 4450,2500 4550,2500 4650,2500 4750,2500 4900,2500 5050,2500 5150,2500 4350,2600 4450,2600 4550,2600 4650,2600 4750,2600 5050,2600 5150,2600 4350,2700 4450,2700 4550,2700 4650,2700 4750,2700 4850,2700 4950,2700 5050,2700 5150,2700 4250,2850 4350,2850 4450,2850 2475,2950 3450,2950 3550,2950 3650,2950 3750,2950 3850,2950 3950,2950 4050,2950 4150,2950 4250,2950 4350,2950 2555,2955 2475,3050 3450,3050 3550,3050 3650,3050 3750,3050 3850,3050 3950,3050 4050,3050 4150,3050 4250,3050 2555,3055 3450,3150 3550,3150 3650,3150 3750,3150 3850,3150 3950,3150 4050,3150 4150,3150 3450,3250 3550,3250 3650,3250 3750,3250 3850,3250 3950,3250 4050,3250 2475,3300 2555,3305 3450,3350 3550,3350 3650,3350 3750,3350 3850,3350 3950,3350 2475,3400 2555,3405 3550,3450 3450,3550 3550,3550
MOTOR-C: C205.1 J101.3 Q302.3 Q305.2 R304.1 U200.30 | length 4391.9
  Top Layer w15: v2(14.17,3355.75) 14.17,3315.79 C205.1@14.96,3315 ; v2(230,2310) 230,3435 242.76,3447.76 U200.30@360.63,3447.76 ; v2(1895,1905) 2450,1905 ; Q302.3@3439.8,2540.24 3638.54,2540.24 3658.31,2560 R304.1@3658.31,2599.96
  Bottom Layer w15: v2(14.17,3355.75) v2(230,3355.75) ; v2(230,2310) 720,2310 735,2295 735,1920 750,1905 v2(1895,1905)
  other v1: 2480,1950 2580,1950 3450,1950 3550,1950 3650,1950 3800,1950 2480,2050 2580,2050 3450,2050 3550,2050 3650,2050 3800,2050 3950,2100 4050,2100 4150,2100 4250,2100 4350,2100 4450,2100 4550,2100 4650,2100 4750,2100 4850,2100 4950,2100 5050,2100 5150,2100 2580,2150 3450,2150 3550,2150 3650,2150 3800,2150 3950,2200 4050,2200 4150,2200 4250,2200 4350,2200 4450,2200 4550,2200 4650,2200 4750,2200 5050,2200 5150,2200 2480,2250 2580,2250 3450,2250 3550,2250 3650,2250 3800,2250 3950,2300 4050,2300 4150,2300 4250,2300 4350,2300 4450,2300 4550,2300 4650,2300 4750,2300 5050,2300 5150,2300 2480,2350 2580,2350 3450,2350 3550,2350 3650,2350 3800,2350 3450,2450 3550,2500 3450,2600 3550,2600
NetC103_1: C103.1 R100.1 R103.2 U100.5 | length 414.1
  Top Layer w30: U100.5@605,917.11 726.75,917.11 739.65,930 782.43,930 800,912.43 800,877.57 812.26,865.31 855.47,865.31 R100.1@863.31,857.48 C103.1@963.31,857.48
NetC104_2: C104.2 C105.2 R105.2 VR100.3 | length 354.3
  Top Layer w30: R105.2@93.66,1430 93.66,1443.19 86.42,1450.43 75.37,1450.43 57.8,1468.01 C104.2@57.8,1523.31 C105.2@57.8,1598.31 107.43,1598.31 125,1615.88 125,1703.23 VR100.3@123.03,1705.2
NetC109_1: C109.1 D100.1 L100.1 U100.1 | length 513.9
  Top Layer w30: L100.1@175,815 175,722.53 192.57,704.96 C109.1@300,704.96 C109.1@301.03,703.93 ; D100.1@303.99,571.83 301.99,573.83 301.99,702.97 C109.1@301.03,703.93 ; U100.1@455,702.89 453.97,703.93 C109.1@301.03,703.93
NetC109_2: C109.2 R102.1 | length 79.9
  Top Layer w30: C109.2@300,775.04 R102.1@300,854.96